# Altium PCB SEM_BMSv1.3.PcbDoc (part 1 of 2) (continued)
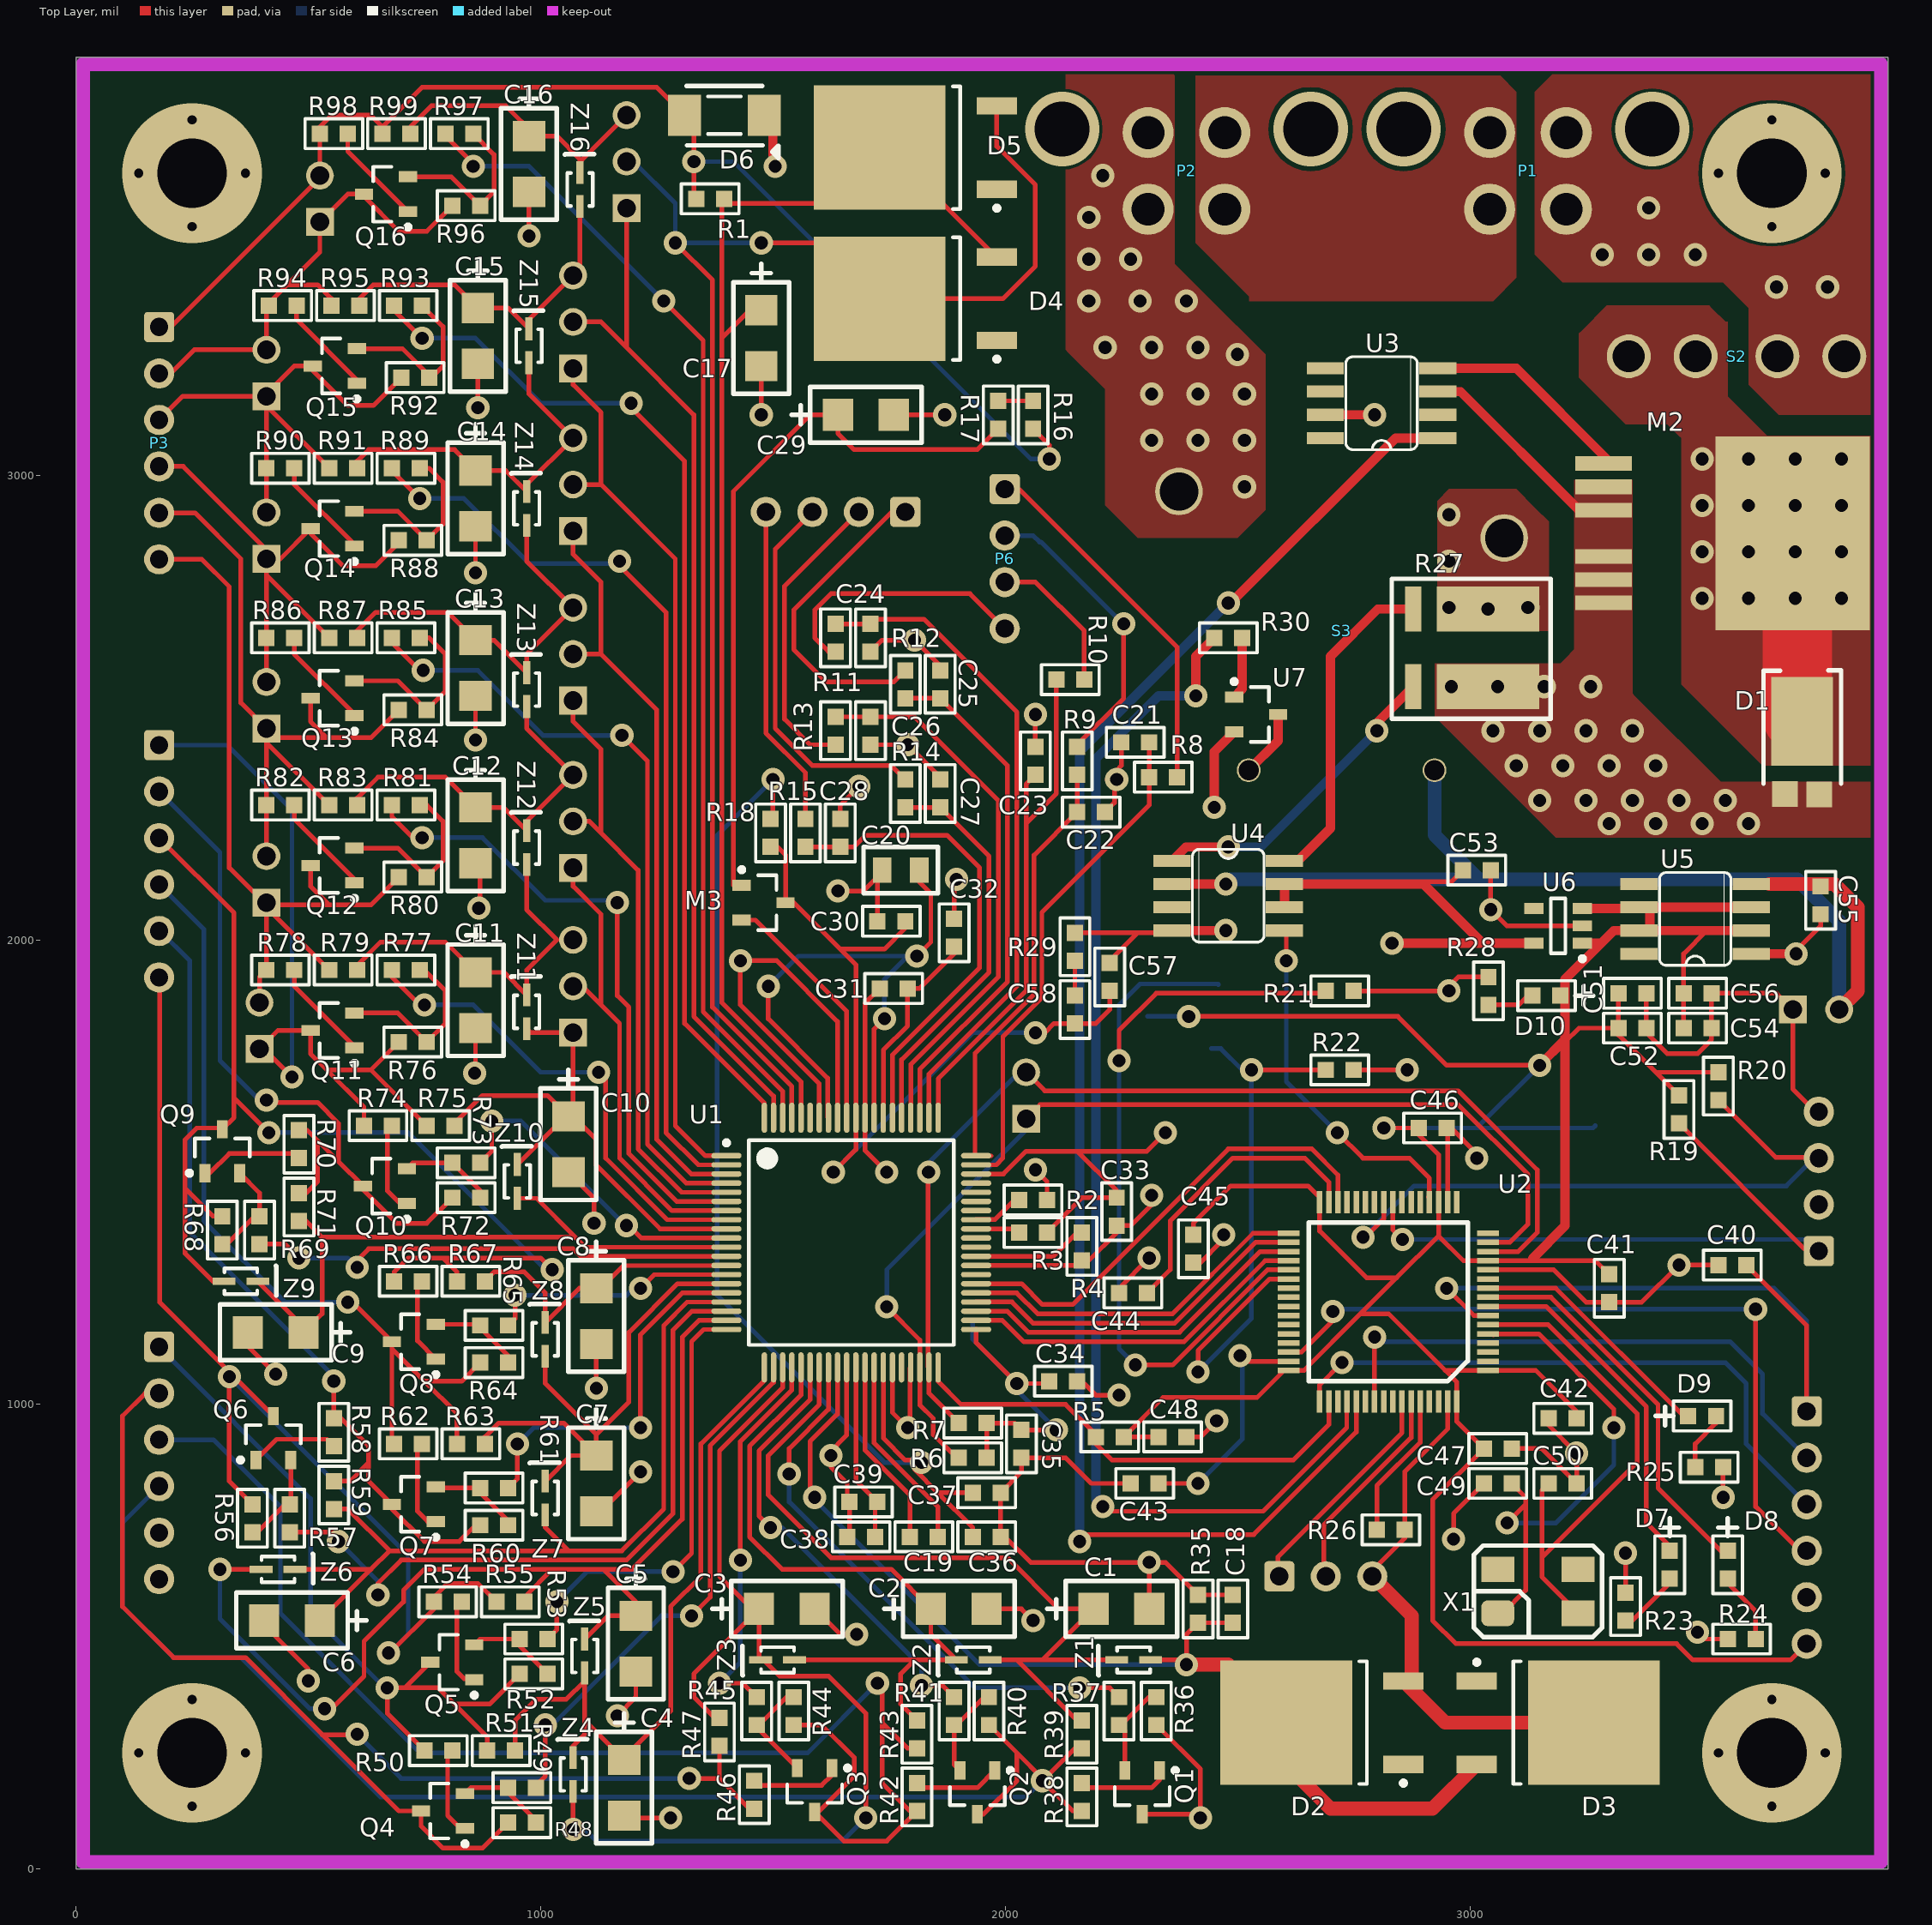
[diagram p0: Top Layer view]
## Design rules (kind name [scope] priority, off if disabled: settings)
Clearance Clearance_2 [InNetClass('HP-')] p1: gap=10
Clearance Clearance_1 [InNetClass('HP') vs InNetClass('GND')] p2: gap=30
Clearance [All] p3: gap=7
ComponentClearance [All] p1 off: gap=10 collisioncheckmode=3 verticalgap=10 showdistances=FALSE
HoleSize [All] p1: absolutevalues=TRUE maxlimit=150 minlimit=1 maxpercent=80.000 minpercent=20.000
MinimumSolderMaskSliver [All] p1: minsoldermaskwidth=5
PlaneConnect [All] p1: planeconnectstyle=Relief reliefexpansion=20 reliefentries=4 reliefconductorwidth=20 reliefairgap=10
PolygonConnect PolygonConnect_3 [InNetClass('HP-')] p1: connectstyle=Direct reliefconductorwidth=100 reliefentries=4 polygonreliefangle="90 Angle" airgapwidth=10
PolygonConnect PolygonConnect_2 [InNetClass('GND')] p2: connectstyle=Relief reliefconductorwidth=20 reliefentries=4 polygonreliefangle="90 Angle" airgapwidth=10
PolygonConnect [InNetClass('HP')] p3: connectstyle=Direct reliefconductorwidth=100 reliefentries=4 polygonreliefangle="90 Angle" airgapwidth=10
PolygonConnect PolygonConnect_1 [All] p4: connectstyle=Relief reliefconductorwidth=20 reliefentries=4 polygonreliefangle="90 Angle" airgapwidth=10
RoutingVias [All] p1: holewidth=28 width=50 viastyle="Through Hole" minholewidth=28 minwidth=50 maxholewidth=280 maxwidth=500
SilkToSilkClearance [All] p1 off: silktosilkclearance=10
SilkToSolderMaskClearance [IsPad] p1 off: minsilkscreentomaskgap=10 clearancetoexposedcopper=TRUE
SolderMaskExpansion [All] p1: expansion=0
Width [All] p1: maxlimit=200 minlimit=5 preferedwidth=10
23 further rules are at their usual default settings.

## Classes and differential pairs
net class HP-: HP-
net class HP: HP+ M1IN NetP2_1 RELAYIN RSENSEIN
net class GND: AGND
component class U_BMS_IC: 0 C17 C18 C19 C20 C21 C22 C23 C24 C25 C26 C27 C28 C29 C30 C31 C32 C33 C34 C35 C36 C37 C38 C39 C57 C58 D2 D3 D4 D5 D6 M3 R1 R2 R3 R4 R5 R6 R7 R8 R9 R10 R11 R12 R13 R14 R15 R16 R17 R18 R29 TPV5VAO TPVIO U1
component class U_Cell_Connections: 0 C1 C2 C3 C4 C5 C6 C7 C8 C9 C10 C11 C12 C13 C14 C15 C16 P19 P20 P21 P22 P23 P24 Q1 Q2 Q3 Q4 Q5 Q6 Q7 Q8 Q9 Q10 Q11 Q12 Q13 Q14 Q15 Q16 R35 R36 R37 R38 R39 R40 R41 R42 R43 R44 R45 R46 R47 R48 R49 R50 R51 R52 R53 R54 R55 R56 R57 R58 R59 R60 R61 R62 R63 R64 R65 R66 R67 R68 R69 R70 R71 R72 R73 R74 R75 R76 R77 R78 R79 R80 R81 R82 R83 R84 R85 R86 R87 R88 R89 R90 R91 R92 R93 R94 R95 R96 R97 R98 R99 Z1 Z2 Z3 Z4 Z5 Z6 Z7 Z8 Z9 Z10 Z11 Z12 Z13 Z14 Z15 Z16
component class U_Control: D1 M2 R27 S2 S3 U3 U4 U7
component class U_Headers: P1 P2 P3 P4 P5 P6 P7 P8 P9 P10 P11 P12 P13 P14 P15 P16 P17 S1 Text
component class U_Power: C53 C54 C55 C56 D10 R28 TP1v0 TP3v3 TP5v0 U5 U6
component class U_STM_IC: 0 C40 C41 C42 C43 C44 C45 C46 C47 C48 C49 C50 C51 C52 D7 D8 D9 P18 R19 R20 R21 R22 R23 R24 R25 R26 R30 U2 VP X1

## Components (designator, comment, footprint, x,y, rotation, side; value= is the part's Value field where it differs from the comment)
C1 "Cap" "SMD1206 POLARIZED" 2250,560 r0 top
C2 "Cap" "SMD1206 POLARIZED" 1900,560 r0 top
C3 "Cap" "SMD1206 POLARIZED" 1530,560 r0 top
C4 "Cap" "SMD1206 POLARIZED" 1180,175 r270 top
C5 "Cap" "SMD1206 POLARIZED" 1205,485 r270 top
C6 "Cap" "SMD1206 POLARIZED" 465,535 r180 top
C7 "Cap" "SMD1206 POLARIZED" 1120,830 r270 top
C8 "Cap" "SMD1206 POLARIZED" 1120,1190 r270 top
C9 "Cap" "SMD1206 POLARIZED" 430,1155 r180 top
C10 "Cap" "SMD1206 POLARIZED" 1060,1560 r270 top
C11 "Cap" "SMD1206 POLARIZED" 860,1870 r270 top
C12 "Cap" "SMD1206 POLARIZED" 860,2225 r270 top
C13 "Cap" "SMD1206 POLARIZED" 860,2585 r270 top
C14 "Cap" "SMD1206 POLARIZED" 860,2950 r270 top
C15 "Cap" "SMD1206 POLARIZED" 865,3300 r270 top
C16 "Cap" "SMD1206 POLARIZED" 975,3670 r270 top
C17 "Cap" "SMD1206 POLARIZED" 1475,3295 r270 top
C18 "Cap" SMD0603 2490,560 r270 top
C19 "Cap" SMD0603 1825,715 r0 top
C20 "Cap" SMD0805 1775,2150 r0 top
C21 "Cap" SMD0603 2280,2425 r0 top
C22 "Cap" SMD0603 2185,2275 r180 top
C23 "Cap" SMD0603 2065,2385 r270 top
C24 "Cap" SMD0603 1710,2650 r90 top
C25 "Cap" SMD0603 1860,2550 r270 top
C26 "Cap" SMD0603 1710,2450 r90 top
C27 "Cap" SMD0603 1860,2315 r270 top
C28 "Cap" SMD0603 1645,2230 r270 top
C29 "Cap" "SMD1206 POLARIZED" 1700,3130 r0 top
C30 "Cap" SMD0603 1755,2040 r0 top
C31 "Cap" SMD0603 1760,1895 r0 top
C32 "Cap" SMD0603 1890,2015 r270 top
C33 "Cap" SMD0603 2240,1415 r90 top
C34 "Cap" SMD0603 2125,1050 r180 top
C35 "Cap" SMD0603 2035,915 r90 top
C36 "Cap" SMD0603 1960,715 r180 top
C37 "Cap" SMD0603 1960,810 r180 top
C38 "Cap" SMD0603 1690,715 r0 top
C39 "Cap" SMD0603 1695,790 r0 top
C40 "Cap" SMD0603 3565,1300 r0 top
C41 "Cap" SMD0603 3300,1250 r270 top
C42 "Cap" SMD0603 3200,970 r180 top
C43 "Cap" SMD0603 2300,830 r0 top
C44 "Cap" SMD0603 2275,1240 r0 top
C45 "Cap" SMD0603 2405,1335 r90 top
C46 "Cap" SMD0603 2920,1595 r180 top
C47 "Cap" SMD0603 3060,905 r180 top
C48 "Cap" SMD0603 2360,930 r180 top
C49 "Cap" SMD0603 3060,830 r0 top
C50 "Cap" SMD0603 3200,830 r180 top
C51 "Cap" SMD0603 3350,1885 r180 top
C52 "Cap" SMD0603 3350,1810 r180 top
C53 "Cap" SMD0603 3015,2150 r180 top
C54 "Cap" SMD0603 3490,1810 r180 top
C55 "Cap" SMD0603 3755,2085 r270 top
C56 "Cap" SMD0603 3490,1885 r180 top
C57 "Cap" SMD0603 2225,1920 r270 top
C58 "Cap" SMD0603 2150,1850 r270 top
D1 "OR Diode" "POWERDI 5" 3632,2336 r90 top
D2 "Diode" DPAK23 2681.77,315 r180 top
D3 "Diode" DPAK23 3190,315 r0 top
D4 "Diode" DPAK23 1806.77,3380 r180 top
D5 "Diode" DPAK23 1806.77,3705 r180 top
D6 "Zener Diode" "TVS DIODE" 1395.63,3775 r180 top
D7 "LED" "SMD0603 POLARIZED" 3430,655 r270 top
D8 "LED" "SMD0603 POLARIZED" 3555,655 r270 top
D9 "LED" "SMD0603 POLARIZED" 3500,975 r0 top
D10 "LED" "SMD0603 POLARIZED" 3165,1880 r180 top
M2 "IRFS7530" D2PAK-7 3540,2875 r270 top
M3 "BJT" SOT23 1480,2080 r0 top
P1 "Molex Minifit Jr 4-Pos" "MINIFITJR 2X2" 3125,3655 r0 top
P2 "Molex Minifit Jr 4-Pos" "MINIFITJR 2X2" 2390,3655 r0 top
P3 "AMP_1x6" AMP_1x6#1 180,3070 r270 top
P4 "AMP_1x6" AMP_1x6#2 180,2170 r270 bottom
P5 "AMP_1x6" AMP_1x6#2 180,875 r270 bottom
P6 "AMP_1x4" AMP_1x4#1 2000,2820 r90 top
P7 "AMP_1x4" AMP_1x4#2 1635,2920 r180 bottom
P8 "AMP_1x4" AMP_1x4#2 3750,1480 r90 bottom
P9 "AMP_1x3" AMP_1x3 2690,630 r0 bottom
P10 "Header" "Header 2x1" 3745,1850 r0 bottom
P11 "Header 3_1" "HEADER 3X1" 1185,3775 r90 bottom
P12 "Header 3_1" "HEADER 3X1" 1070,3430 r90 bottom
P13 "Header 3_1" "HEADER 3X1" 1070,3080 r90 bottom
P14 "Header 3_1" "HEADER 3X1" 1070,2715 r90 bottom
P15 "Header 3_1" "HEADER 3X1" 1070,2355 r90 bottom
P16 "Header 3_1" "HEADER 3X1" 1070,2000 r90 bottom
P17 "PRGM" "HEADER 6X1" 3725,985 r270 bottom
P18 "Testpoints" "Header 2x1" 2045,1665 r90 bottom
P19 "Header" "Header 2x1" 525,3595 r90 bottom
P20 "Header" "Header 2x1" 410,3220 r90 bottom
P21 "Header" "Header 2x1" 410,2870 r90 bottom
P22 "Header" "Header 2x1" 410,2505 r90 bottom
P23 "Header" "Header 2x1" 410,2130 r90 bottom
P24 "Header" "Header 2x1" 395,1815 r90 bottom
Q1 "Transistor" "TRANSISTOR 3-LEAD" 2295,165 r270 top
Q2 "Transistor" "TRANSISTOR 3-LEAD" 1940,165 r270 top
Q3 "Transistor" "TRANSISTOR 3-LEAD" 1590,170 r270 top
Q4 "Transistor" "TRANSISTOR 3-LEAD" 790,125 r180 top
Q5 "Transistor" "TRANSISTOR 3-LEAD" 810,445 r180 top
Q6 "Transistor" "TRANSISTOR 3-LEAD" 425,927.76 r90 top
Q7 "Transistor" "TRANSISTOR 3-LEAD" 727.24,785 r180 top
Q8 "Transistor" "TRANSISTOR 3-LEAD" 727.24,1135 r180 top
Q9 "Transistor" "TRANSISTOR 3-LEAD" 315,1545 r90 top
Q10 "Transistor" "TRANSISTOR 3-LEAD" 665,1470 r180 top
Q11 "Transistor" "TRANSISTOR 3-LEAD" 552.24,1805 r180 top
Q12 "Transistor" "TRANSISTOR 3-LEAD" 552.24,2160 r180 top
Q13 "Transistor" "TRANSISTOR 3-LEAD" 552.24,2520 r180 top
Q14 "Transistor" "TRANSISTOR 3-LEAD" 552.24,2885 r180 top
Q15 "Transistor" "TRANSISTOR 3-LEAD" 557.24,3235 r180 top
Q16 "Transistor" "TRANSISTOR 3-LEAD" 667.24,3605 r180 top
R1 "Res" SMD0603 1365,3595 r180 top
R2 "Res" SMD0603 2060,1440 r180 top
R3 "Res" SMD0603 2060,1370 r180 top
R4 "Res" SMD0603 2165,1340 r90 top
R5 "Res" SMD0603 2225,930 r180 top
R6 "Res" SMD0603 1930,885 r180 top
R7 "Res" SMD0603 1930,960 r180 top
R8 "Res" SMD0603 2340,2350 r180 top
R9 "Res" SMD0603 2155,2385 r270 top
R10 "Res" SMD0603 2140,2560 r180 top
R11 "Res" SMD0603 1635,2650 r90 top
R12 "Res" SMD0603 1785,2550 r270 top
R13 "Res" SMD0603 1635,2450 r90 top
R14 "Res" SMD0603 1785,2315 r270 top
R15 "Res" SMD0603 1570,2230 r270 top
R16 "Res" SMD0603 2060,3130 r90 top
R17 "Res" SMD0603 1985,3130 r270 top
R18 "Res" SMD0603 1495,2230 r270 top
R19 "Res" SMD0603 3450,1635 r90 top
R20 "Res" SMD0603 3535,1685 r90 top
R21 "Res" SMD0603 2720,1890 r180 top
R22 "Res" SMD0603 2720,1720 r180 top
R23 "Res" SMD0603 3335,565 r90 top
R24 "Res" SMD0603 3585,495 r180 top
R25 "Res" SMD0603 3515,865 r0 top
R26 "Res" SMD0603 2830,730 r180 top
R27 "Isense Resistor" SenseResistor 3165,2490 r180 top
R28 "Res" SMD0603 3040,1890 r90 top
R29 "Res" SMD0603 2150,1985 r270 top
R30 "Res" SMD0603 2480,2650 r0 top
R35 "Res" SMD0603 2415,560 r90 top
R36 "Res" SMD0603 2325,340 r270 top
R37 "Res" SMD0603 2245,340 r270 top
R38 "Res" SMD0603 2165,155 r270 top
R39 "Res" SMD0603 2165,290 r270 top
R40 "Res" SMD0603 1965,340 r270 top
R41 "Res" SMD0603 1890,340 r270 top
R42 "Res" SMD0603 1810,155 r270 top
R43 "Res" SMD0603 1810,290 r270 top
R44 "Res" SMD0603 1545,340 r270 top
R45 "Res" SMD0603 1465,340 r270 top
R46 "Res" SMD0603 1460,160 r270 top
R47 "Res" SMD0603 1385,295 r270 top
R48 "Res" SMD0603 960,100 r180 top
R49 "Res" SMD0603 960,175 r180 top
R50 "Res" SMD0603 780,255 r180 top
R51 "Res" SMD0603 915,255 r180 top
R52 "Res" SMD0603 985,420 r180 top
R53 "Res" SMD0603 985,495 r180 top
R54 "Res" SMD0603 800,575 r180 top
R55 "Res" SMD0603 935,575 r180 top
R56 "Res" SMD0603 380,755 r90 top
R57 "Res" SMD0603 460,755 r90 top
R58 "Res" SMD0603 555,940 r90 top
R59 "Res" SMD0603 555,805 r90 top
R60 "Res" SMD0603 900,740 r180 top
R61 "Res" SMD0603 900,820 r180 top
R62 "Res" SMD0603 715,915 r180 top
R63 "Res" SMD0603 850,915 r180 top
R64 "Res" SMD0603 900,1090 r180 top
R65 "Res" SMD0603 900,1170 r180 top
R66 "Res" SMD0603 715,1265 r180 top
R67 "Res" SMD0603 850,1265 r180 top
R68 "Res" SMD0603 315,1375 r90 top
R69 "Res" SMD0603 395,1375 r90 top
R70 "Res" SMD0603 480,1560 r90 top
R71 "Res" SMD0603 480,1425 r90 top
R72 "Res" SMD0603 840,1445 r180 top
R73 "Res" SMD0603 840,1520 r180 top
R74 "Res" SMD0603 650,1600 r180 top
R75 "Res" SMD0603 785,1600 r180 top
R76 "Res" SMD0603 725,1780 r180 top
R77 "Res" SMD0603 710,1935 r0 top
R78 "Res" SMD0603 440,1935 r180 top
R79 "Res" SMD0603 575,1935 r180 top
R80 "Res" SMD0603 725,2135 r180 top
R81 "Res" SMD0603 710,2290 r0 top
R82 "Res" SMD0603 440,2290 r180 top
R83 "Res" SMD0603 575,2290 r180 top
R84 "Res" SMD0603 725,2495 r180 top
R85 "Res" SMD0603 710,2650 r0 top
R86 "Res" SMD0603 440,2650 r180 top
R87 "Res" SMD0603 575,2650 r180 top
R88 "Res" SMD0603 725,2860 r180 top
R89 "Res" SMD0603 710,3015 r0 top
R90 "Res" SMD0603 440,3015 r180 top
R91 "Res" SMD0603 575,3015 r180 top
R92 "Res" SMD0603 730,3210 r180 top
R93 "Res" SMD0603 715,3365 r0 top
R94 "Res" SMD0603 445,3365 r180 top
R95 "Res" SMD0603 580,3365 r180 top
R96 "Res" SMD0603 840,3580 r180 top
R97 "Res" SMD0603 825,3735 r0 top
R98 "Res" SMD0603 555,3735 r180 top
R99 "Res" SMD0603 690,3735 r180 top
S1 "Switch" SWITCH 2425,1860 r270 bottom
S2 "Fuse" "FUSE HOLDER" 3950,3350 r0 top
S3 "Relay" "JT-N Relay" 2160,3365 r0 top
TP1v0 "Test Point" "Test Point" 2832.4,1992.6 r180 bottom (schematic designator TP1)
TP3v3 "Test Point" "Test Point" 3270,1600 r90 bottom
TP5v0 "Test Point" "Test Point" 3795,2030 r90 bottom
TPV5VAO "Test Point" "Test Point" 2345,1585 r180 bottom
TPVIO "Test Point" "Test Point" 1930,1180 r180 bottom (schematic designator TP3)
U1 "TI BQ76PL455A-Q1" TQFP-80 1669.34,1348.77 r0 top
U2 "STM32F407XX" LQFP64 2824.41,1220.79 r180 top
U3 "HT0740" SOIC8 2810,3155 r90 top
U4 "MAX4081" SOIC8 2480,2095 r270 top
U5 "3V Reg" SOIC8 3485,2045 r90 top
U6 "1V Reg" SOT23-5LEAD 3190,2030 r180 top
U7 "NUD3105 Relay Driver" SOT23 2540,2485 r0 top
X1 "Crystal" ABMM2-OSC 3146.61,597.76 r0 top
Z1 "Zener Diode" ZENERCELL 2276.42,450 r180 top
Z2 "Zener Diode" ZENERCELL 1931.42,450 r180 top
Z3 "Zener Diode" ZENERCELL 1510,450 r180 top
Z4 "Zener Diode" ZENERCELL 1070,203.58 r90 top
Z5 "Zener Diode" ZENERCELL 1095,458.58 r90 top
Z6 "Zener Diode" ZENERCELL 435,645 r0 top
Z7 "Zener Diode" ZENERCELL 1010,798.58 r90 top
Z8 "Zener Diode" ZENERCELL 1010,1140 r90 top
Z9 "Zener Diode" ZENERCELL 355,1265 r0 top
Z10 "Zener Diode" ZENERCELL 950,1480 r90 top
Z11 "Zener Diode" ZENERCELL 970,1845 r90 top
Z12 "Zener Diode" ZENERCELL 970,2198.58 r90 top
Z13 "Zener Diode" ZENERCELL 970,2538.58 r90 top
Z14 "Zener Diode" ZENERCELL 970,2928.58 r90 top
Z15 "Zener Diode" ZENERCELL 975,3278.58 r90 top
Z16 "Zener Diode" ZENERCELL 1085,3615 r90 top

## Footprints (in the part's own frame and the unit in brackets; to place one, negate y for a bottom-side part, rotate by r counter-clockwise, add the part's x,y. Pads: shape width x height; smd on the part's side, far side on the other; paste and mask are expansions set on the pad)
ABMM2-OSC [mm]
  rrect50% 1.8x1.4 smd: 1(-2.2,-1.2)
  rect 1.8x1.4 smd: 2(2.2,-1.2) 3(2.2,1.2) 4(-2.2,1.2)
  silkscreen extent -3.5,-2.5 3.5,2.5, body extent -3.63,-2.64 3.63,2.62, height 1.1
AMP_1x3 [mil]
  rrect25% 65x65 hole 39.37: 1(-100,0)
  round 65 hole 39.37: 2(0,0) 3(100,0)
  silkscreen extent -191,-50 150,50, body extent -149,-105 151,125, height 395
AMP_1x4#1 [mil]
  rrect25% 65x65 hole 39.37: 1(150,1)
  round 65 hole 39.37: 2(50,1) 3(-50,1) 4(-150,1)
  body extent -199,-103 201,127, height 395
AMP_1x4#2 [mil]
  rrect25% 65x65 hole 39.37: 1(-150,1)
  round 65 hole 39.37: 2(-50,1) 3(50,1) 4(150,1)
  silkscreen extent -241,-49 200,51, body extent -201,-103 199,127, height 395
AMP_1x6#1 [mil]
  rrect25% 65x65 hole 39.37: 1(-249,-1)
  round 65 hole 39.37: 2(-149,-1) 3(-49,-1) 4(51,-1) 5(151,-1) 6(251,-1)
  body extent -299,-126 301,104, height 395
AMP_1x6#2 [mil]
  rrect25% 65x65 hole 39.37: 1(-249,1)
  round 65 hole 39.37: 2(-149,1) 3(-49,1) 4(51,1) 5(151,1) 6(251,1)
  silkscreen extent -340,-49 301,51, body extent -299,-104 301,126, height 395
D2PAK-7 [mm]
  rect 10.6x8.45 smd: D(0,3.925)
  rect 0.8x3.1 smd: G(-3.81,-6.4) S(-2.54,-6.4) S(-1.27,-6.4) S(1.27,-6.4) S(2.54,-6.4) S(3.81,-6.4)
  body extent -4.91,-7.21 4.91,7.84, height 4.22
DPAK23 [mm] "D-PAK, 3-Pads, Body 6.21x6.72mm (max), IPC Medium Density"
  rect 2.2x0.95 smd: 1(-4.45,2.28) 3(-4.45,-2.28)
  rect 7.2x6.8 smd: 2(1.95,0)
  silkscreen extent -4.57,-3.35 -2.05,3.43, body extent -5.33,-3.38 5.08,3.33, height 2.39
"FUSE HOLDER" [mm]
  round 2.4 hole 1.75: 1(-7.315,-2.388) 1(-3.658,-2.388) 2(-15.443,-2.388) 2(-11.786,-2.388)
  body extent -16.59,-4.6 -1.9,0.15, height 8.72
"Header 2x1" [mil]
  rect 60x60 hole 40: 1(-50,0)
  round 60 hole 40: 2(50,0)
  silkscreen extent -100,-50 100,50, body extent -100,-50 100,50, height 374
"HEADER 3X1" [mil]
  rect 60x60 hole 40: 1(-200,0)
  round 60 hole 40: 2(-100,0) 3(0,0)
  silkscreen extent -250,-50 50,50, body extent -250,-50 50,50, height 374
"HEADER 6X1" [mil] "PinHeader 1x6 TH Pitch 2.54mm"
  rrect25% 65x65 hole 39.37: 1(0,0)
  round 65 hole 39.37: 2(100,0) 3(200,0) 4(300,0) 5(400,0) 6(500,0)
  silkscreen extent -91,-50 550,50, body extent -50,-50 550,50, height 374
"JT-N Relay" [mm]
  round 1.3 hole 1.1: 1(19.406,-25.4) 2(9.246,-25.4)
  round 2.6 hole 2.1: 3(23.216,-12.7) 4(5.436,-10.16)
  body extent 0.03,-32 27.03,0, height 1.4
LQFP64 [mm]
  rect 1.2x0.3 smd: 1(-5.45,3.75) 2(-5.45,3.25) 3(-5.45,2.75) 4(-5.45,2.25) 5(-5.45,1.75) 6(-5.45,1.25) 7(-5.45,0.75) 8(-5.45,0.25) 9(-5.45,-0.25) 10(-5.45,-0.75) 11(-5.45,-1.25) 12(-5.45,-1.75) 13(-5.45,-2.25) 14(-5.45,-2.75) 15(-5.45,-3.25) 16(-5.45,-3.75) 33(5.45,-3.75) 34(5.45,-3.25) 35(5.45,-2.75) 36(5.45,-2.25) 37(5.45,-1.75) 38(5.45,-1.25) 39(5.45,-0.75) 40(5.45,-0.25) 41(5.45,0.25) 42(5.45,0.75) 43(5.45,1.25) 44(5.45,1.75) 45(5.45,2.25) 46(5.45,2.75) 47(5.45,3.25) 48(5.45,3.75)
  rect 0.3x1.2 smd: 17(-3.75,-5.45) 18(-3.25,-5.45) 19(-2.75,-5.45) 20(-2.25,-5.45) 21(-1.75,-5.45) 22(-1.25,-5.45) 23(-0.75,-5.45) 24(-0.25,-5.45) 25(0.25,-5.45) 26(0.75,-5.45) 27(1.25,-5.45) 28(1.75,-5.45) 29(2.25,-5.45) 30(2.75,-5.45) 31(3.25,-5.45) 32(3.75,-5.45) 49(3.75,5.45) 50(3.25,5.45) 51(2.75,5.45) 52(2.25,5.45) 53(1.75,5.45) 54(1.25,5.45) 55(0.75,5.45) 56(0.25,5.45) 57(-0.25,5.45) 58(-0.75,5.45) 59(-1.25,5.45) 60(-1.75,5.45) 61(-2.25,5.45) 62(-2.75,5.45) 63(-3.25,5.45) 64(-3.75,5.45)
  silkscreen extent -4.34,-4.34 4.34,4.34, body extent -6,-6 6,6, height 1.6
"MINIFITJR 2X2" [mil]
  round 110 hole 71: 1(-82.5,-82.5) 2(82.5,-82.5) 3(-82.5,82.5) 4(82.5,82.5)
  body extent -328,-196 328,237, height 538
"POWERDI 5" [mil]
  rect 55.12x55.12 smd: 1(-23,-120) 1(-22,-46)
  rect 191.34x132.28 smd: 2(134,-83)
  silkscreen extent 0,-167 244,0, body extent -26,-162 236,-6, height 22
SenseResistor [mil] "Vishay-Dale Low-Ohm Resistor"
  rect 220.47x96.06 smd: 1(126,-222) 2(126,-55)
  rect 35.04x96.06 smd: 3(287,-222) 4(287,-55)
  silkscreen extent -9,-287 333,14, body extent 39,-272 299,0, height 116
SMD0603 [mil]
  rect 35x35 smd: 1(-30,0) 2(30,0)
  silkscreen extent -62,-32 62,32, body extent -31,-16 32,16, height 18
"SMD0603 POLARIZED" [mil]
  rect 35x35 smd: 1(-30,0) 2(30,0)
  silkscreen extent -100,-32 62,32, body extent -31,-16 32,16, height 18
SMD0805 [mil]
  rect 40x55 smd: 1(-40,0) 2(40,0)
  silkscreen extent -80,-50 80,50, body extent -39,-25 39,24, height 20
"SMD1206 POLARIZED" [mil]
  rect 65x70 smd: 1(-60,0) 2(60,0)
  silkscreen extent -160,-60 120,60, body extent -65,-32 60,31, height 39
SOIC8 [mil]
  rect 26x80 smd mask+3: 1(-75,-121) 2(-25,-121) 3(25,-121) 4(75,-121) 5(75,121) 6(25,121) 7(-25,121) 8(-75,121)
  silkscreen extent -100,-77 100,77, body extent -96,-118 96,118, height 69
SOT23 [mm] "SOT23, 3-Leads, Body 2.90x2.45mm, Pitch 0.95mm, IPC Medium Density"
  rect 1x0.6 smd: 1(-1.2,0.95) 2(-1.2,-0.95) 3(1.2,0)
  silkscreen extent -1.32,-1.5 0.7,1.92, body extent -1.26,-1.49 1.29,1.51, height 1
SOT23-5LEAD [mm] "SOT23, 5-Leads, Body 2.95x2.80mm, Pitch 0.95mm, IPC Medium Density"
  rect 1.05x0.6 smd: 1(-1.325,0.95) 2(-1.325,0) 3(-1.325,-0.95) 4(1.325,-0.95) 5(1.325,0.95)
  silkscreen extent -1.45,-1.5 0.4,1.92, body extent -1.66,-1.5 1.55,1.5, height 0.92
SWITCH [mm]
  rect 1x1.3 smd: 1(-1.118,-0.864) 2(0.635,3.023) 3(2.388,-0.864)
  silkscreen extent -2.36,0.08 3.63,2.08, body extent -2.35,-1.09 3.65,3.11, height 2.48
"Test Point" [mil]
  rect 150x80 smd: 1(0,0)
  body extent -75,-30 75,30, height 90
TQFP-80 [mm]
  oval 1.65x0.3 smd: 1(-6.841,4.74) 2(-6.841,4.24) 3(-6.841,3.74) 4(-6.841,3.24) 5(-6.841,2.74) 6(-6.841,2.24) 7(-6.841,1.74) 8(-6.841,1.24) 9(-6.841,0.74) 10(-6.841,0.24) 11(-6.841,-0.26) 12(-6.841,-0.76) 13(-6.841,-1.26) 14(-6.841,-1.76) 15(-6.841,-2.26) 16(-6.841,-2.76) 17(-6.841,-3.26) 18(-6.841,-3.76) 19(-6.841,-4.26) 20(-6.841,-4.76) 41(6.809,-4.76) 42(6.809,-4.26) 43(6.809,-3.76) 44(6.809,-3.26) 45(6.809,-2.76) 46(6.809,-2.26) 47(6.809,-1.76) 48(6.809,-1.26) 49(6.809,-0.76) 50(6.809,-0.26) 51(6.809,0.24) 52(6.809,0.74) 53(6.809,1.24) 54(6.809,1.74) 55(6.809,2.24) 56(6.809,2.74) 57(6.809,3.24) 58(6.809,3.74) 59(6.809,4.24) 60(6.809,4.74)
  oval 0.3x1.65 smd: 21(-4.766,-6.835) 22(-4.266,-6.835) 23(-3.766,-6.835) 24(-3.266,-6.835) 25(-2.766,-6.835) 26(-2.266,-6.835) 27(-1.766,-6.835) 28(-1.266,-6.835) 29(-0.766,-6.835) 30(-0.266,-6.835) 31(0.234,-6.835) 32(0.734,-6.835) 33(1.234,-6.835) 34(1.734,-6.835) 35(2.234,-6.835) 36(2.734,-6.835) 37(3.234,-6.835) 38(3.734,-6.835) 39(4.234,-6.835) 40(4.734,-6.835) 61(4.734,6.815) 62(4.234,6.815) 63(3.734,6.815) 64(3.234,6.815) 65(2.734,6.815) 66(2.234,6.815) 67(1.734,6.815) 68(1.234,6.815) 69(0.734,6.815) 70(0.234,6.815) 71(-0.266,6.815) 72(-0.766,6.815) 73(-1.266,6.815) 74(-1.766,6.815) 75(-2.266,6.815) 76(-2.766,6.815) 77(-3.266,6.815) 78(-3.766,6.815) 79(-4.266,6.815) 80(-4.766,6.815)
  silkscreen extent -6.97,-5.61 5.58,5.59, body extent -7.01,-7.01 6.99,6.98, height 2
"TRANSISTOR 3-LEAD" [mm] "SOT23, 3-Leads, Body 2.90x2.45mm, Pitch 0.95mm, IPC Medium Density"
  rect 1x0.6 smd: 1(-1.2,0.95) 2(-1.2,-0.95) 3(1.2,0)
  silkscreen extent -1.32,-1.5 0.7,1.93, body extent -1.35,-1.5 1.2,1.5, height 1
"TVS DIODE" [mm] "Chip Diode, 2-Leads, Body 5.24x2.10mm, IPC Medium Density"
  rect 1.8x2.25 smd: 1(-2.175,0) 2(2.175,0)
  silkscreen extent -2.95,-1.6 2.06,2.34, body extent -2.67,-1.5 2.62,1.3, height 2.34
ZENERCELL [mm] "SODFL, 2-Leads, Body 1.25x2.50mm, IPC Medium Density"
  rect 1.25x0.4 smd: 1(-0.925,0) 2(0.925,0)
  silkscreen extent -0.9,-0.76 1.93,0.84, body extent -1.25,-0.63 1.25,0.62, height 0.69

## Part data
C1 C2 C3 C4 C5 C6 C7 C8 C9 C10 C11 C12 C13 C14 C15 C16 C17 C29: library part "Capacitor Polarized", "Polarized Capacitor (Surface Mount)"
C18 C19 C20 C21 C22 C23 C24 C25 C26 C27 C28 C30 C31 C32 C33 C34 C35 C36 C37 C38 C39 C40 C41 C42 C43 C44 C45 C46 C47 C48 C49 C50 C51 C52 C53 C54 C55 C56 C57 C58: library part "Capacitor Ceramic", "Ceramic Chip Capacitor"
M2: "IRFS7530 Power MOSFET"
P10 P18 P19 P20 P21 P22 P23 P24: library part "Header 2x1", "Header, 2-Pin"
P17: library part "Header 6x1", "Header, 5-Pin"
R1 R2 R3 R4 R5 R6 R7 R8 R9 R10 R11 R12 R13 R14 R15 R16 R17 R18 R19 R20 R21 R22 R23 R24 R25 R26 R28 R29 R30 R35 R36 R37 R38 R39 R40 R41 R42 R43 R44 R45 R46 R47 R48 R49 R50 R51 R52 R53 R54 R55 R56 R57 R58 R59 R60 R61 R62 R63 R64 R65 R66 R67 R68 R69 R70 R71 R72 R73 R74 R75 R76 R77 R78 R79 R80 R81 R82 R83 R84 R85 R86 R87 R88 R89 R90 R91 R92 R93 R94 R95 R96 R97 R98 R99: library part Resistor, "Resistor"
U2: library part STM32F407_LQFP64

## Via types
v1: diameter 50, hole 28, Top Layer to Bottom Layer, 162 vias
v2: diameter 50, hole 28, Top Layer to Signal Layer 2, 51 vias
v3: diameter 40, hole 20, Top Layer to Bottom Layer, 16 vias
v4: diameter 300, hole 150, Top Layer to Bottom Layer, 4 vias
v5: diameter 160, hole 118, Top Layer to Bottom Layer, 4 vias

## Nets (pads, with @x,y where several pads share a name; then routed paths per layer and width w, separated by ;. In a path a pad name is that pad's centre, name@x,y a point inside that pad or via, vN(x,y) a via of type N, cw(c..) or ccw(c..) an arc to the next point about the centre after c; other vN are vias at no path point)
1V0: C53.2 TP1v0.1 U4.6 U4.7 U6.5 | length 935
  Top Layer w10: 2895,2125 2960,2125 C53.2@2985,2150
  Top Layer w20: U4.6@2601,2070 U4.7@2601,2120 2900,2120 3027.4,1992.6 ; v1(2832.4,1992.6) 3027.4,1992.6 ; U6.5@3137.83,1992.6 3027.4,1992.6
3V3: C41.1 C42.1 C45.2 C46.2 C47.2 C48.2 C51.2 C52.2 C54.2 C56.2 D10.1 P17.6 R5.1 R19.2 R20.2 S1.2 TP3v3.1 U2.1 U2.13 U2.19 U2.32 U2.48 U2.64 U5.2 U5.3 U5.6 U5.7 U6.1 U6.3 | length 8229.1
  Top Layer w10: C48.2@2330,930 R5.1@2255,930 2340,1015 2541.85,1015 2600,1073.15 2643.15,1073.15 2765,1195 ; v1@2380,1835 v1(2395,1835) 2845,1835 2950,1730 v1(3150,1730) ; C45.2@2405,1365 2405,1390 2485,1470 2651.97,1470 2676.77,1445.2 2676.77,1373.23 2777.5,1272.5 2842.5,1272.5 ; v1(2815,1595) C46.2@2890,1595 2890,1580 2932.68,1537.32 2932.68,1362.68 ; 3129.37,1309.37 2985.98,1309.37 2932.68,1362.68 ; 3130,1309.37 3270.63,1309.37 C41.1@3300,1280 ; 3205,1780 3235,1810 C52.2@3320,1810 ; C42.1@3230,970 3230,985 3141.85,1073.15 2946.85,1073.15 ; C51.2@3320,1885 C52.2@3320,1810 ; R19.2@3450,1665 3400,1715 ; C54.2@3460,1810 C56.2@3460,1885 3460,1970 3510,2020 ; R20.2@3535,1715 3400,1715 ; P17.6@3725,485 3690,450 3480,450 3445,485 2970,485 2920,535 2920,795 C47.2@3030,905 2972.05,962.95 2972.05,1047.95 2946.85,1073.15 ; 2765,1195 2825,1195 2946.85,1073.15 ; 2765,1195 2842.5,1272.5 ; 2842.5,1272.5 2932.68,1362.68 ; C52.2@3320,1810 3320,1795 3400,1715
  Top Layer w20: 3135.31,1314.68 3205,1384.37 3205,1780 ; v1(3150,1730) 3205,1785 3205,1880 3205,1915 3282.6,1992.6 ; U6.1@3242.17,1992.6 3282.6,1992.6 ; U6.3@3242.17,2067.4 3385.12,2067.4 U5.6@3387.72,2070 ; U5.2@3602.28,2020 3510,2020 U5.7@3387.72,2020 ; U5.3@3602.28,2070 U5.6@3387.72,2070 ; 3282.6,1992.6 3310,2020 U5.7@3364,2020 U5.7@3387.72,2020 ; U5.7@3387.72,2020 U5.6@3387.72,2070
  Bottom Layer w10: S1.2@2306,1835 v1(2395,1835) ; v1(2815,1595) 3015,1595 ; v1(3150,1730) 3015,1595 ; TP3v3.1@3270,1600 3265,1595 3015,1595
5V0: C55.1 P10.2 S3.1 TP5v0.1 U4.2 U5.4 | length 2389.5
  Top Layer w20: U4.2@2359,2120 v1(2475,2120)
  Top Layer w30: U5.4@3645,2120 3785,2120 3835,2070 3835,1890 P10.2@3795,1850
  Bottom Layer w20: v1(2475,2120) v1@2485,2130
  Bottom Layer w30: v1@2485,2130 3020,2130 ; S3.1@2924,2365 2924,2226 3020,2130 ; P10.2@3795,1850 TP5v0.1@3795,2030 3795,2040 3705,2130 3020,2130
AGND: C1.2 C2.2 C3.2 C4.2 C5.2 C6.2 C7.2 C8.2 C9.2 C10.2 C11.2 C12.2 C13.2 C14.2 C15.2 C16.2 C17.2 C18.1 C20.1 C21.1 C22.1 C23.1 C24.1 C25.1 C26.1 C27.1 C28.1 C29.2 C30.1 C31.1 C32.1 C33.1 C34.1 C35.1 C36.1 C37.1 C38.1 C39.1 C40.1 C41.2 C42.2 C43.1 C44.1 C45.1 C46.1 C47.1 C48.1 C49.1 C50.1 C51.1 C52.1 C53.1 C54.1 C55.2 C56.1 C57.1 D2.3 D3.2 D6.1 P5.5 P8.2 P8.4 P9.3 P10.1 P17.5 Q1.3 R2.1 R4.1 R21.1 R22.1 R23.2 R24.2 R25.2 R26.1 R28.2 R29.1 R35.2 R36.2 U1.30 U1.35 U1.37 U1.48 U1.69 U1.72 U1.74 U2.12 U2.18 U2.63 U3.7 U4.4 U5.1 U6.2 U7.2 | length 12633.9
  Top Layer w10: C9.2@370,1155 370,1125 v2(430,1065) ; C6.2@405,535 405,525 500,430 v2(500,405) ; v2(858,1713) 860,1715 C11.2@860,1810 ; v2(860,2430) C13.2@860,2525 ; v2(860,2790) C14.2@860,2890 ; v2(865,3145) C15.2@865,3235 ; v2(867,2068) 870,2071 C12.2@870,2165 ; v2(975,3515) C16.2@975,3610 ; C10.2@1060,1500 1115,1445 v2(1115,1390) ; C7.2@1120,770 1130,770 v2(1215,855) ; v2(1120,1035) C8.2@1120,1130 ; v2(1165,330) 1205,370 C5.2@1205,425 ; C4.2@1180,105 1185,110 v2(1280,110) ; v2(1430,1955) 1430,1860 1599.8,1690.2 U1.74@1599.8,1617.06 ; v2@1445,1955 1508.35,1955 1639.17,1824.17 U1.72@1639.17,1617.06 ; v2(1475,3130) C17.2@1475,3235 ; D6.1@1481.26,3775 D6.1@1500,3756.26 ; 1500,3690 1505,3685 v2(1505,3665) ; C3.2@1580,570 C3.2@1590,560 1645,505 v2(1680,505) ; v2@1620,895 1658.86,933.86 U1.30@1658.86,1079.66 ; v2(1625,890) 1625,865 1660,830 1660,795 C39.1@1665,790 1665,720 C38.1@1660,715 ; v2(1640,2105) 1695,2105 C20.1@1725,2135 ; C28.1@1645,2260 1645,2290 v2(1685,2330) ; C26.1@1710,2420 v2(1790,2420) 1860,2350 C27.1@1860,2345 ; C24.1@1710,2620 1735,2645 v2(1805,2645) C25.1@1860,2590 ; C30.1@1725,2040 C20.1@1725,2135 ; C20.1@1725,2140 C20.1@1725,2135 ; C31.1@1730,1895 1698.23,1863.23 U1.69@1698.23,1617.06 1698.23,1546.77 v2(1745,1500) ; U1.35@1757.28,1079.66 1757.28,982.72 v2(1790,950) 1794.87,954.87 1794.87,1077.88 U1.37@1796.65,1079.66 ; C29.2@1760,3130 v2(1870,3130) ; C32.1@1890,2045 1890,2125 v2(1895,2130) ; U1.48@1937.4,1299.15 2154.15,1299.15 R4.1@2165,1310 2180,1310 2240,1370 C33.1@2240,1385 2270,1385 2315,1430 v2(2315,1450) ; C2.2@1960,560 2035,560 v2(2060,535) ; v2(2065,1505) 2090,1480 R2.1@2090,1440 ; C23.1@2065,2415 v2(2065,2485) ; R29.1@2150,2015 2285,2015 ; C34.1@2155,1045 2170,1045 2195,1020 v2(2245,1020) v2@2250,1020 ; C22.1@2215,2275 2235,2295 2235,2330 2220,2345 v2(2240,2345) 2240,2365 2250,2375 C21.1@2250,2425 ; C57.1@2225,1950 2225,1955 2285,2015 ; C44.1@2245,1240 2245,1250 v2(2310,1315) ; C43.1@2270,830 2185,830 2130,885 C35.1@2035,885 2035,855 C37.1@1990,810 C36.1@1990,715 2000,715 2055,660 v2(2310,660) ; Q1.3@2295,117.76 2412.24,117.76 v2(2420,110) 2420,215 R36.2@2325,310 ; C1.2@2310,560 v2(2310,660) ; U4.4@2354,2015 2285,2015 ; C48.1@2390,930 2420,930 v2(2455,965) ; C45.1@2405,1305 2420,1305 v2@2465,1350 ; C18.1@2490,590 R35.2@2415,590 2345,660 v2(2310,660) ; R22.1@2750,1720 v2(2865,1720) ; R21.1@2750,1890 2945,1890 v2@2955,1900 ; P9.3@2784,636 2860,712 R26.1@2860,730 2860,855 2952.36,947.36 U2.63@2952.36,996.38 ; U2.18@2952.36,1445.2 2952.36,1592.64 C46.1@2950,1595 2960,1595 3015,1540 v2(3015,1530) ; v2(2955,1890) v2@2955,1900 ; v2(2965,710) 2965,765 C49.1@3030,830 ; R28.2@3040,1920 2975,1920 v2@2955,1900 ; C53.1@3045,2150 v2(3045,2065) 3080,2030 U6.2@3242.17,2030 ; U2.12@3048.82,1289.69 3180.31,1289.69 3250,1220 C41.2@3300,1220 3370,1220 v2(3450,1300) C40.1@3535,1300 ; C47.1@3090,905 3155,905 C50.1@3230,830 v2(3230,895) 3170,955 C42.2@3170,970 ; D3.2@3205,376.77 D3.2@3266.77,315 3360,408.23 D3.2@3330,438.23 ; R23.2@3335,595 v2(3335,680) ; C51.1@3380,1885 C52.1@3380,1810 3380,1800 3425,1755 3490,1755 3520,1785 C54.1@3520,1810 C56.1@3520,1885 3660,1885 P10.1@3695,1850 3695,1679 P8.4@3743,1631 ; v2(3490,510) 3505,495 R24.2@3555,495 ; v2(3545,800) R25.2@3545,865 ; v2(3702,1970) 3702,1977 3755,2030 C55.2@3755,2055
  Top Layer w20: 1500,3690 D6.1@1500,3756.26 ; U4.4@2359,2020 v2(2475,2020) ; v2(2450,2285) 2450,2404.84 U7.2@2492.76,2447.6 ; U3.7@2689,3130 v2(2795,3130) ; U5.1@3602.28,1970 U5.1@3606,1970 v2(3702,1970)
  Top Layer w30: P9.3@2784,636 P9.3@2790,630 2875,545 D2.3@2875,420 ; D2.3@2856.97,404.76 2946.73,315 D3.2@3266.77,315
  other v2: 2470,1365
AUX0: P7.4 R15.1 | length 696.2
  Top Layer w10: P7.4@1485,2921 1485,2445 1570,2360 R15.1@1570,2260
AUX1: P7.3 R14.1 | length 824.7
  Top Layer w10: P7.3@1585,2921 1505,2841 1505,2455 1585,2375 1755,2375 R14.1@1785,2345
AUX2: P7.2 R13.1 | length 645.1
  Top Layer w10: R13.1@1635,2420 1580,2420 1525,2475 1525,2761 P7.2@1685,2921
AUX3: P7.1 R12.1 | length 691.7
  Top Layer w10: R12.1@1785,2580 1760,2555 1615,2555 1545,2625 1545,2710 1756,2921 P7.1@1785,2921
AUX4: P6.4 R11.1 | length 572
  Top Layer w10: R11.1@1635,2620 1620,2620 1590,2650 1590,2710 1625,2745 1924,2745 P6.4@1999,2670
AUX5: P6.3 R10.1 | length 319.5
  Top Layer w10: P6.3@1999,2770 2065,2770 2170,2665 R10.1@2170,2560
AUX6: P6.2 R9.1 | length 640.5
  Top Layer w10: R9.1@2155,2415 2155,2420 2255,2520 v1(2255,2680)
  Bottom Layer w10: P6.2@1999,2870 2060,2870 2074,2856 2077,2856 v1@2254,2679
AUX7: P6.1 R8.1 | length 791.8
  Top Layer w10: P6.1@1999,2970 2030,2970 2370,2630 R8.1@2370,2350
B1: P5.4 Q2.3 R38.2 R39.2 R40.2 | length 3023.1
  Top Layer w10: Q2.3@1940,117.76 1952.76,117.76 2025,190 2025,250 ; R40.2@1965,310 2025,250 ; R38.2@2165,125 2145,125 v1(2080,190) v1@2082.5,192.5 ; R39.2@2165,260 2150,260 v1@2082.5,192.5 ; 2025,250 v1@2082.5,192.5
  Bottom Layer w10: P5.4@179,824 100,745 100,565 210,455 355,455 655,155 2045,155 v1(2080,190)
B2: P5.3 Q3.3 R42.2 R43.2 R44.2 | length 3024.2
  Top Layer w10: R44.2@1545,310 1605,310 1675,240 1675,200 1597.76,122.76 Q3.3@1590,122.76 1652.76,60 1745,60 R42.2@1810,125 1795,125 1735,185 1735,390 v1(1725,400) ; 1737.5,312.5 1790,260 R43.2@1810,260
  Bottom Layer w10: P5.3@179,924 296,924 440,780 440,550 740,250 1575,250 v1(1725,400)
B3: P5.2 Q4.3 R46.2 R47.2 R48.2 | length 2663.6
  Top Layer w10: P5.2@179,1024 149,1024 100,975 100,565 210,455 365,455 531.57,288.43 ; 530,288.43 531.57,288.43 ; v1(605,290) 603.43,288.43 531.57,288.43 ; R48.2@930,100 875,45 790,45 742.76,92.24 Q4.3@742.76,125 695,125 531.57,288.43 ; v1(1320,195) 1385,195 ; R47.2@1385,265 1385,195 ; R46.2@1460,130 1450,130 1385,195
  Bottom Layer w10: v1(605,290) 700,195 v1(1320,195)
B4: P5.1 Q5.3 R50.2 R51.2 R52.2 | length 1639.9
  Top Layer w10: R50.2@750,255 670,335 v1(670,390) 707.76,390 ; Q5.3@762.76,445 707.76,390 ; R51.2@885,255 885,285 815,355 ; R52.2@955,420 890,355 815,355 ; 707.76,390 780,390 815,355
  Bottom Layer w10: P5.1@178.5,1123.5 505,797 505,550 v1@667.5,387.5
B5: P4.6 Q6.3 R54.2 R55.2 R56.2 | length 2441
  Top Layer w10: P4.6@179,1919 180,1918 180,1220 Q6.3@425,975 ; v1(330,1060) 330,835 R56.2@380,785 ; v1(672.5,465) 675,465 770,560 R54.2@770,575 770,585 800,615 865,615 R55.2@905,575
  Bottom Layer w10: v1(330,1060) 715,675 715,505 675,465 v1(672.5,465)
B6: P4.5 Q7.3 R58.2 R59.2 R60.2 | length 1786.5
  Top Layer w10: R59.2@555,835 590,835 630,875 ; v1(555,1050) R58.2@555,970 570,970 630,910 630,875 ; R60.2@870,740 860,740 825,705 750,705 680,775 Q7.3@680,785 630,835 630,875
  Bottom Layer w10: P4.5@179,2019 181,2019 245,1955 245,1370 555,1060 v1(555,1050)
B7: P4.4 Q8.3 R62.2 R63.2 R64.2 | length 1898.1
  Top Layer w10: v1(585,1220) 595,1220 Q8.3@680,1135 680,1120 ; R62.2@685,915 680,920 680,1120 ; R63.2@820,915 820,980 750,1050 ; R64.2@870,1090 830,1050 750,1050 ; 680,1120 750,1050
  Bottom Layer w10: P4.4@179,2119 275,2023 275,1395 450,1220 v1(585,1220)
B8: P4.3 Q9.3 R66.2 R67.2 R68.2 Z9.1 | length 2537.1
  Top Layer w10: P4.3@179,2219 340,2058 340,1660 ; R68.2@315,1405 295,1405 235,1465 ; Z9.1@318.58,1265 295,1265 235,1325 235,1465 ; v1(415,1585) 340,1660 ; R66.2@685,1265 685,1285 715,1315 790,1315 ; R67.2@820,1265 820,1285 790,1315 ; v1(1025,1290) 1000,1315 790,1315 ; 235,1465 235,1570 260,1595 312.24,1595 Q9.3@315,1592.24 340,1617.24 340,1660
  Bottom Layer w10: v1(415,1585) 715,1585 1010,1290 v1(1025,1290)
B9: P4.2 Q10.3 R70.2 R71.2 R72.2 | length 1617.6
  Top Layer w10: v1@405,1650 520,1650 565,1605 565,1522.76 ; R71.2@480,1455 495,1455 520,1480 520,1567.76 ; R70.2@480,1590 497.76,1590 520,1567.76 ; R72.2@810,1445 755,1390 690,1390 617.76,1462.24 Q10.3@617.76,1470 565,1522.76 ; 520,1567.76 565,1522.76
  Bottom Layer w10: P4.2@179,2319 310,2188 310,1740 395,1655 v1(410,1655) v1@410,1645
B10: P4.1 P24.1 Q11.3 R74.2 R75.2 R76.2 | length 1765
  Top Layer w10: v1@465,1725 v1(465,1705) 405,1765 P24.1@395,1765 435,1805 Q11.3@505,1805 505,1755 540,1720 ; R74.2@620,1600 620,1640 540,1720 ; R76.2@695,1780 635,1720 ; R75.2@755,1600 635,1720 ; 540,1720 635,1720
  Bottom Layer w10: P4.1@179,2394 P4.1@181,2396 ; P4.1@179,2419 326,2419 465,2280 v1(465,1705)
B11: P3.6 P23.1 P24.2 Q12.3 R78.2 R79.2 R80.2 | length 1717.1
  Top Layer w10: P3.6@179,2819 271,2819 330,2760 330,2155 405,2080 P23.1@410,2080 ; P24.2@395,1865 395,1920 R78.2@410,1935 P23.1@410,2070 ; Q12.3@505,2160 505,2115 545,2075 ; R79.2@545,1935 P23.1@410,2070 ; R80.2@695,2135 635,2075 545,2075 ; P23.1@410,2070 P23.1@410,2080 ; P23.1@410,2080 415,2075 545,2075
B12: P3.5 P22.1 P23.2 Q13.3 R82.2 R83.2 R84.2 | length 1473.3
  Top Layer w10: P3.5@179,2919 256,2919 355,2820 355,2510 P22.1@410,2455 ; P23.2@410,2195 R82.2@410,2290 P22.1@410,2425 ; Q13.3@505,2520 505,2470 540,2435 ; R83.2@545,2290 P22.1@410,2425 ; R84.2@695,2495 635,2435 540,2435 ; P22.1@410,2425 P22.1@410,2455 ; P22.1@410,2455 430,2435 540,2435
B13: P3.4 P21.1 P22.2 Q14.3 R86.2 R87.2 R88.2 | length 1157.7
  Top Layer w10: P3.4@179,3019 231,3019 410,2840 P21.1@410,2820 ; P22.2@410,2555 R86.2@410,2650 410,2785 ; R87.2@545,2650 410,2785 ; R88.2@695,2860 695,2855 645,2805 575,2805 505,2875 Q14.3@505,2885 440,2820 P21.1@410,2820 ; 410,2785 P21.1@410,2820
B14: P3.3 P20.1 P21.2 Q15.3 R90.2 R91.2 R92.2 | length 1078.8
  Top Layer w10: P3.3@179,3119 230,3170 P20.1@410,3170 ; P21.2@410,2920 R90.2@410,3015 P20.1@410,3150 ; R91.2@545,3015 P20.1@410,3150 ; R92.2@700,3210 640,3150 585,3150 510,3225 Q15.3@510,3235 470,3235 410,3175 P20.1@410,3170 ; P20.1@410,3150 P20.1@410,3170
B15: P3.2 P19.1 P20.2 Q16.3 R94.2 R95.2 R96.2 | length 1070.9
  Top Layer w10: P3.2@179,3219 204,3219 255,3270 P20.2@410,3270 P20.2@410,3275 ; R94.2@410,3365 P20.2@410,3275 ; P20.2@415,3270 P20.2@410,3275 ; R94.2@415,3365 415,3370 455,3410 ; R95.2@550,3365 550,3380 520,3410 455,3410 ; R96.2@810,3580 755,3525 695,3525 620,3600 Q16.3@620,3605 585,3605 P19.1@525,3545 525,3480 455,3410
B16: D6.2 P3.1 P19.2 R1.2 R16.1 R98.2 R99.2 | length 2773.8
  Top Layer w10: P3.1@179,3319 204,3319 525,3640 P19.2@525,3645 R98.2@525,3735 525,3750 550,3775 635,3775 R99.2@660,3750 ; R99.2@660,3735 R99.2@660,3750 ; R1.2@1335,3595 1330,3600 v1(1330,3675) 1330,3745 1335,3750 D6.2@1310,3775 1250,3835 745,3835 R99.2@660,3750 ; R16.1@2060,3100 2095,3065 v1(2095,3035)
  Bottom Layer w10: v1(1330,3675) 1415,3675 2055,3035 v1(2095,3035)